# Altium PCB Booster_Main_Board.PcbDoc (part 4 of 11) (continued)
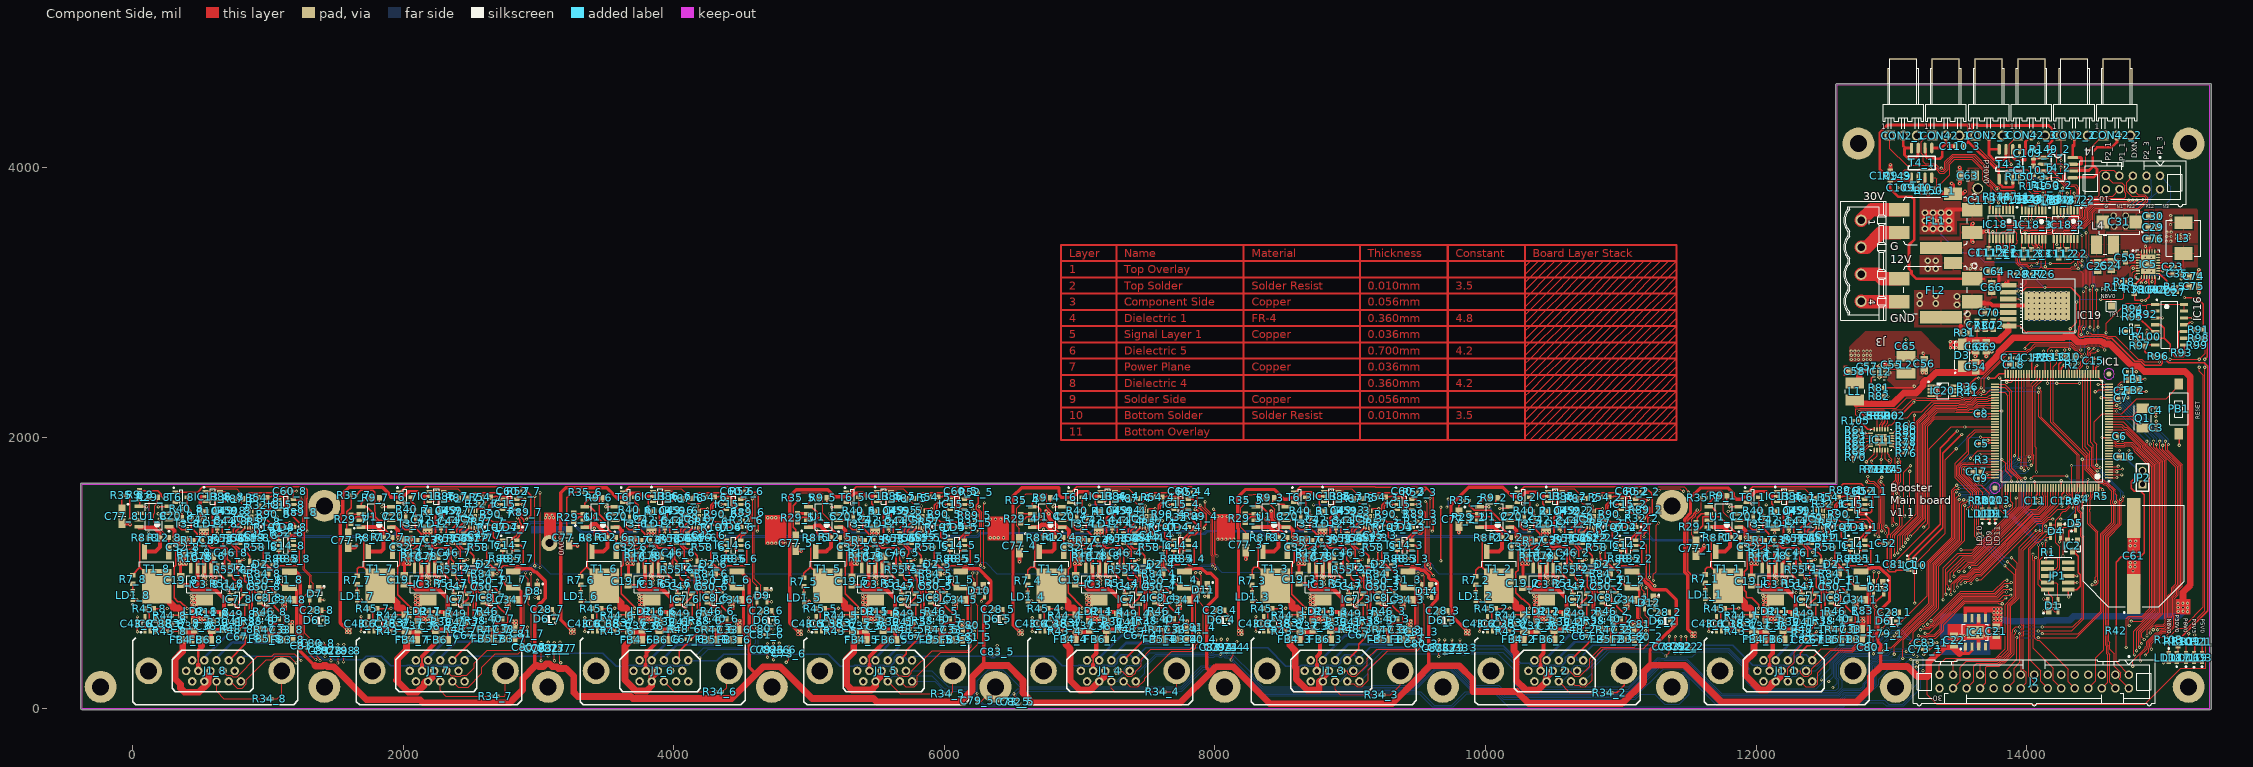
[diagram p0: Component Side view]
## Nets (pads, with @x,y where several pads share a name; then routed paths per layer and width w, separated by ;. In a path a pad name is that pad's centre, name@x,y a point inside that pad or via, vN(x,y) a via of type N, cw(c..) or ccw(c..) an arc to the next point about the centre after c; other vN are vias at no path point) (continued)
  Component Side w6: C111_2.2@14237.2,3326.77 14199.9,3364.07 IC18_2.9@14199.9,3468.5 14199.9,3505.56 14216.79,3522.45 14268.79,3522.45 14278.36,3532.02 14324.85,3532.02 14362.42,3569.59 14416.33,3569.59 14463.78,3617.04 14463.78,3670.94 14500.57,3707.74 14793.46,3707.74 14833.99,3748.27 14848.27,3748.27 v1(14860,3760)
  Signal Layer 1 w6: v1(14860,3760) 14865.7,3765.7 14865.7,3815.69 J4.4@14885,3834.99
DXP1_3: C111_3.2 IC18_3.9 J4.1 | length 1619.6
  Component Side w6: C111_3.2@13975.39,3389.76 13964.67,3400.49 IC18_3.9@13964.67,3466.54 13964.67,3516.22 13980.25,3531.81 14002.54,3531.81 14004.82,3529.53 14026.34,3529.53 14027.77,3530.96 14174.39,3530.96 14204.39,3560.96 14256.39,3560.96 14263.45,3568.02 14309.93,3568.02 14347.51,3605.59 14401.42,3605.59 14427.78,3631.95 14427.78,3685.86 14485.66,3743.74 14540.87,3743.74 14542.95,3745.82 14612.2,3745.82 14613.44,3747.05 14753.94,3747.05 v1(14753.94,3756.89)
  Solder Side w6: v1(14753.94,3756.89) 14802.9,3707.92 15012.06,3707.92 15065,3760.87 15065,3854.99 J4.1@14985,3934.99
DXP2_1: C112_1.2 IC18_1.12 J4.9 | length 1543.7
  Component Side w6: C112_1.2@13779.53,3333.66 13780.51,3332.68 13807.09,3332.68 13813.98,3339.57 13813.98,3389.64 13813.19,3390.43 13813.19,3422.05 13799.51,3435.73 IC18_1.12@13799.51,3470.47 13799.51,3503.99 13818.45,3522.93 13837.39,3522.93 13858.27,3543.81 14007.51,3543.81 14009,3542.32 14010.83,3542.32 14011.47,3542.96 14169.42,3542.96 14199.42,3572.96 14251.42,3572.96 14258.48,3580.02 14304.96,3580.02 14342.54,3617.59 14396.44,3617.59 14415.78,3636.92 14415.78,3690.83 14480.68,3755.74 14535.9,3755.74 14546.17,3766 14607.22,3766 14611.89,3770.67 14701.87,3770.67 14702.99,3769.54 14720.23,3769.54 14732.43,3781.73 14732.43,3807.66 14725.5,3814.59 14725.5,3861.93 14702.43,3885 14634.99,3885 J4.9@14585,3934.99
DXP2_2: C112_2.2 IC18_2.12 J4.6 | length 1031.6
  Component Side w6: C112_2.2@14297.24,3389.76 14274.9,3412.11 IC18_2.12@14274.9,3468.5 14274.9,3498.45 14278.93,3498.45 14281.44,3500.96 14283.03,3500.96 14283.03,3502.74 14288.3,3508.02 14334.79,3508.02 14372.36,3545.59 14426.27,3545.59 14487.78,3607.1 14487.78,3661 14510.51,3683.74 14830.14,3683.74 14892.81,3746.41 14892.81,3773.59 14871.9,3794.5 14825.5,3794.5 J4.6@14785,3834.99
DXP2_3: C112_3.2 IC18_3.12 J4.3 | length 1432.7
  Component Side w6: C112_3.2@14035.43,3326.77 14064.12,3355.46 14064.12,3412.19 14058.85,3417.46 14048.09,3417.46 14039.67,3425.89 IC18_3.12@14039.67,3466.54 14039.67,3504.23 14042.4,3506.96 14184.33,3506.96 14211.82,3534.45 14263.82,3534.45 14273.39,3544.02 14319.88,3544.02 14357.45,3581.59 14411.36,3581.59 14451.78,3622.01 14451.78,3675.92 14495.6,3719.74 14776.03,3719.74 v1(14813.18,3756.89)
  Solder Side w6: v1(14813.18,3756.89) 14834.83,3735.24 14890.24,3735.24 14902.7,3747.7 14902.7,3769.66 14925.5,3792.46 14925.5,3858.81 14918.45,3865.86 14918.45,3901.54 J4.3@14885,3934.99
EN_PWR_CH0: IC1.114 R85_8.2 R88_8.2 | length 14662.2
  Component Side w6: v1(13381.38,801.62) 13381.38,1036.38 13489,1144 13593.4,1144 13942.81,1493.41 13942.81,1624.87 IC1.114@13939.94,1627.74
  Component Side w10: R88_8.2@1124.5,1105 R85_8.2@1168.5,1105 1168.5,1078.5 v1(1168,1078)
  Signal Layer 1 w6: v1(1168,1078) 1246,1156 2114.57,1156 2116.38,1154.19 2197.62,1154.19 2218.43,1175 2502,1175 2672.19,1004.81 2672.19,984.38 2684.38,972.19 2701.62,972.19 2703.43,974 2749,974 2807.81,1032.81 2962.76,1032.81 2963.38,1032.19 2965.62,1032.19 2977,1020.81 3001.76,1020.81 3003.38,1019.19 3020.62,1019.19 3023.43,1022 3442,1022 3547.95,1127.95 3912.95,1127.95 3934,1149 4058,1149 4075,1132 4175.06,1132 4281,1026.06 4281,981 4319,943 4404,943 4480,1019 4576,1019 4604,1047 5039.97,1047 5167.3,1174.33 5372.22,1174.33 5372.89,1175 5407.65,1175 5410.19,1172.46 5410.19,1170.38 5422.38,1158.19 5484.59,1158.19 5490.99,1164.58 5501.38,1154.19 5518.62,1154.19 5540.24,1175.81 5846.19,1175.81 5927,1095 5927,967.69 5978.69,916 6080.6,916 6289.6,1125 7037.69,1125 7066.36,1096.33 7373.33,1096.33 7398,1121 7510,1121 7553.85,1077.15 7678.06,1077.15 7741.91,1141 7855.91,1141 7886.91,1172 7985.37,1172 7988.18,1169.19 8173.24,1169.19 8176.05,1172 8474.06,1172 8518.11,1127.95 8629.31,1127.95 8630.31,1126.95 8677.31,1126.95 8695.07,1109.19 8782.87,1109.19 8799.06,1093 8961.06,1093 8984.06,1070 9030.06,1070 9069.25,1030.81 9140.62,1030.81 9149.24,1022.19 9238.13,1022.19 9309.94,1094 9457.15,1094 9464.6,1101.45 9509.45,1101.45 9549,1141 10078.06,1141 10247.06,972 10344.91,972 10398.91,1026 10546,1026 10592.19,979.81 10723.19,979.81 10762,941 10797.57,941 10818.38,920.19 10864.62,920.19 10919.76,975.33 11172.93,975.33 11200.41,1002.81 11232.89,1002.81 11255.41,980.29 11421.76,980.29 11444.28,1002.81 11447.65,1002.81 11448.07,1002.4 11511.6,1002.4 11526.03,987.98 11722.67,987.98 11737.5,1002.81 11816.22,1002.81 11878.03,941 12012.06,941 12108.06,845 12238.6,845 12281.41,887.81 12312.13,887.81 12346.61,853.33 12407.97,853.33 12419.97,841.33 12560.3,841.33 12584.97,866 12734.03,866 12798.41,801.62 v1(13381.38,801.62)
EN_PWR_CH1: IC1.115 R85_7.2 R88_7.2 | length 12953.6
  Component Side w6: v1(13402.19,842.81) 13402.19,1028.19 13506,1132 13598.37,1132 13959.62,1493.25 IC1.115@13959.62,1627.74
  Component Side w10: R88_7.2@2778.05,1106.14 2801,1106.14 ; v1(2801,1080) 2801,1106.14 ; R85_7.2@2822.04,1106.14 2801,1106.14
  Signal Layer 1 w6: v1(2801,1080) 2872.95,1151.95 3851.38,1151.95 3885.38,1185.95 4127.45,1185.95 4136.4,1177 4164,1177 4320,1021 4320,985 4336.81,968.19 4389,968.19 4464.81,1044 4553,1044 4580,1071 5021,1071 5234.95,1284.95 5382.25,1284.95 5434.14,1233.06 5553.14,1233.06 5577.87,1208.33 5636.25,1208.33 5662.87,1234.95 5827.11,1234.95 5951,1111.06 5951,977.63 5984.63,944 6074.66,944 6279.66,1149 7047.63,1149 7076.3,1120.33 7210.3,1120.33 7243.3,1153.33 7322.24,1153.33 7391.86,1222.95 7468.79,1222.95 7588.06,1103.69 7670.66,1103.69 7731.97,1165 7845.97,1165 7876.97,1196 7995.31,1196 7998.12,1193.19 8163.3,1193.19 8166.11,1196 8484,1196 8528.05,1151.95 8639.25,1151.95 8640.25,1150.95 8687.25,1150.95 8705.01,1133.19 8792.81,1133.19 8809,1117 8971,1117 8994,1094 9040,1094 9069,1065 9140.37,1065 9159.18,1046.19 9228.19,1046.19 9304.33,1122.33 9451.54,1122.33 9454.66,1125.45 9495.42,1125.45 9534.97,1165 10088,1165 10257,996 10334.97,996 10391.97,1053 10557.03,1053 10606.22,1003.81 10737.79,1003.81 10772.41,969.19 10808.79,969.19 10814.41,974.81 10855.75,974.81 10880.27,999.33 11162.99,999.33 11190.47,1026.81 11242.83,1026.81 11265.35,1004.29 11411.82,1004.29 11434.34,1026.81 11457.6,1026.81 11458.01,1026.4 11521.54,1026.4 11535.97,1011.98 11712.73,1011.98 11727.56,1026.81 11831.22,1026.81 11893.03,965 12022,965 12118,869 12228.66,869 12271.47,911.81 12349.41,911.81 12349.61,912.01 12344.36,906.76 12344.36,889.52 12356.55,877.33 12417.91,877.33 12429.91,865.33 12548.76,865.33 12573.43,890 12750,890 12806.81,833.19 12958.53,833.19 12968.15,842.81 v1(13402.19,842.81)
EN_PWR_CH2: IC1.116 R85_6.2 R88_6.2 | length 11062.5
  Component Side w6: v1(13423,882) 13423,905.19 13414.19,914 13414.19,1005.19 13529,1120 13603.34,1120 13979.31,1495.96 IC1.116@13979.31,1627.74
  Component Side w10: R88_6.2@4431.59,1106.14 4454,1106.14 ; v1(4454,1079) 4454,1106.14 ; R85_6.2@4475.58,1106.14 4454,1106.14
  Signal Layer 1 w6: v1(4454,1079) 4477,1102 5008,1102 5214.95,1308.95 5392.19,1308.95 5444.08,1257.06 5563.08,1257.06 5563.95,1256.19 5608.28,1256.19 5614.04,1261.95 5834.05,1261.95 5978.05,1117.95 5978.05,984.52 5994.57,968 6036.4,968 6144.19,1075.79 6144.19,1090.62 6226.57,1173 7063.19,1173 7064.19,1172 7064.19,1166.38 7082.86,1147.71 7183.6,1147.71 7213.23,1177.33 7237.33,1177.33 7251,1191 7325.97,1191 7381.92,1246.95 7478.73,1246.95 7598,1127.69 7659.69,1127.69 7723,1191 7834,1191 7869,1226 7999.25,1226 8008.06,1217.19 8153.35,1217.19 8162.17,1226 8497,1226 8547.05,1175.95 8649.19,1175.95 8650.19,1174.95 8697.19,1174.95 8704.77,1167.37 8720.2,1167.37 8729.38,1158.19 8746.62,1158.19 8755.8,1167.37 8756.23,1167.37 8766.41,1157.19 8793.59,1157.19 8799.49,1163.08 8808.38,1154.19 8825.62,1154.19 8845.38,1173.95 9002.65,1173.95 9056.65,1119.95 9099.34,1119.95 9119.48,1099.81 9240.81,1099.81 9287.33,1146.33 9441.6,1146.33 9444.72,1149.45 9485.45,1149.45 9529,1193 10096.03,1193 10269.03,1020 10317,1020 10375.81,1078.81 10611.62,1078.81 10629.43,1061 10689,1061 10704,1046 10757,1046 10780,1023 10870,1023 10901,1054 11057,1054 11077,1034 11162.97,1034 11179.78,1050.81 11252.77,1050.81 11275.29,1028.29 11401.88,1028.29 11424.4,1050.81 11467.54,1050.81 11467.95,1050.4 11531.48,1050.4 11545.91,1035.98 11702.79,1035.98 11717.62,1050.81 11844.19,1050.81 11904,991 12037,991 12051,1005 12245,1005 12287,963 12332.57,963 12361.38,934.19 12378.62,934.19 12412.24,967.81 12428.22,967.81 12472.03,924 12530.88,924 12533.55,921.33 12550.79,921.33 12553.46,924 12761,924 12827.81,857.19 12948.59,857.19 12961.4,870 13281,870 13293,882 v1(13423,882)
EN_PWR_CH3: IC1.117 R85_5.2 R88_5.2 | length 8942.2
  Component Side w6: v1(13435,941) 13435,1001 13539,1105 13605.31,1105 13998.99,1498.68 IC1.117@13998.99,1627.74
  Component Side w10: v1(6101,1079) 6101,1106.14 R85_5.2@6129.13,1106.14
  Signal Layer 1 w6: v1(6101,1079) 6101,1081.37 6220.63,1201 6876,1201 6894,1219 6894,1289 6908,1303 7023,1303 7079,1247 7269.6,1247 7293.55,1270.95 7576.95,1270.95 7592,1286 7690,1286 7721,1255 7812,1255 7839.81,1282.81 8358.75,1282.81 8375.41,1266.15 8432.15,1266.15 8484.95,1318.95 8697.05,1318.95 8764,1252 8868.45,1252 8868.61,1251.84 8911.02,1251.84 8921.13,1261.95 8968.37,1261.95 9003.32,1227 9056,1227 9109.05,1173.95 9145.05,1173.95 9179.81,1139.19 9217.19,1139.19 9260.33,1182.33 9426.69,1182.33 9429.81,1185.45 9464.42,1185.45 9520.97,1242 10001.1,1242 10013.5,1229.61 10070.5,1229.61 10082.9,1242 10142.03,1242 10251.7,1132.33 10508.88,1132.33 10516.55,1140 10686,1140 10711,1115 10730.69,1115 10735.64,1119.95 10752.88,1119.95 10763.83,1109 10800.03,1109 10807.58,1101.45 11135.38,1101.45 11145.88,1090.95 11263.54,1090.95 11290.2,1064.29 11386.97,1064.29 11413.63,1090.95 11478.31,1090.95 11482.86,1086.4 11546.4,1086.4 11560.82,1071.98 11687.88,1071.98 11706.85,1090.95 11883.08,1090.95 11942.84,1031.19 12026.28,1031.19 12036.09,1041 12259.91,1041 12269.72,1031.19 12302.62,1031.19 12303.43,1032 12326.46,1032 12352.17,1006.29 12389.72,1006.29 12400.62,1017.19 12628.81,1017.19 12665,981 12783,981 12856,908 12905.65,908 12920.46,922.81 12948.59,922.81 12963.4,908 13047,908 13080,941 v1(13435,941)
EN_PWR_CH4: IC1.118 R85_4.2 R88_4.2 | length 7260
  Component Side w6: v1(13462,975) 13462,1004.43 13548.57,1091 13608.28,1091 14018.68,1501.39 IC1.118@14018.68,1627.74
  Component Side w10: R88_4.2@7738.68,1106.14 R88_4.2@7742.86,1106.14 ; v1(7739,1280) 7739,1110 R88_4.2@7742.86,1106.14 ; R85_4.2@7782.67,1106.14 R88_4.2@7742.86,1106.14
  Signal Layer 1 w6: v1(7739,1280) 7806,1280 7823,1297 8361.53,1297 8380.38,1278.15 8417.64,1278.15 8470.44,1330.95 8900.56,1330.95 8923.75,1307.76 8939.53,1307.76 9005.29,1242 9336,1242 9364.81,1213.19 9457.16,1213.19 9514.16,1270.19 9785.77,1270.19 9789.56,1266.4 9816.74,1266.4 9820.53,1270.19 10006.86,1270.19 10023.44,1253.61 10060.56,1253.61 10077.14,1270.19 10205.88,1270.19 10220.64,1284.95 10342.88,1284.95 10356.07,1271.76 10356.07,1246.5 10423.38,1179.19 10443.62,1179.19 10454.43,1190 10531.6,1190 10542.41,1200.81 10570.19,1200.81 10574.67,1196.33 10712.1,1196.33 10767.43,1141 10830.57,1141 10840.38,1131.19 10857.62,1131.19 10867.43,1141 11117.75,1141 11117.88,1140.87 11143.13,1140.87 11169.05,1114.95 11273.48,1114.95 11300.14,1088.29 11377.03,1088.29 11403.69,1114.95 11488.25,1114.95 11492.8,1110.4 11556.34,1110.4 11570.76,1095.98 11677.93,1095.98 11696.91,1114.95 11952.55,1114.95 11953.55,1115.95 11970.79,1115.95 11971.79,1114.95 12018.79,1114.95 12061.42,1072.33 12267.93,1072.33 12280.41,1084.81 12307.59,1084.81 12332.4,1060 12380.2,1060 12392.81,1047.39 12392.81,1045.62 12397.24,1041.19 12640.69,1041.19 12675.88,1006 12792,1006 12866,932 12895.71,932 12910.52,946.81 12958.53,946.81 12973.34,932 13018.97,932 13061.97,975 v1(13462,975)
EN_PWR_CH5: IC1.119 R85_3.2 R88_3.2 | length 5446.7
  Component Side w6: v1(13497,1010) 13566,1079 13613.25,1079 14038.36,1504.11 IC1.119@14038.36,1627.74
  Component Side w10: v1(9388,1234) 9388,1110.36 R88_3.2@9392.22,1106.14 R85_3.2@9436.21,1106.14
  Signal Layer 1 w6: v1(9388,1234) 9461,1234 9509.19,1282.19 9790.74,1282.19 9794.53,1278.4 9811.77,1278.4 9815.56,1282.19 10011.83,1282.19 10028.41,1265.61 10055.59,1265.61 10074.81,1284.83 10074.81,1295.5 10076.27,1296.95 10354.05,1296.95 10414,1237 10489.57,1237 10490.38,1237.81 10507.62,1237.81 10526.62,1218.81 10569.16,1218.81 10579.64,1208.33 10732.67,1208.33 10746.19,1194.81 10746.19,1192.38 10758.57,1180 10772,1180 10772.19,1180.19 10775.62,1180.19 10792.43,1197 10938,1197 10940.45,1194.55 10959.97,1175 11117.7,1175 11127.82,1164.87 11162.13,1164.87 11187.05,1139.95 11282.42,1139.95 11310.08,1112.29 11367.08,1112.29 11394.75,1139.95 11497.19,1139.95 11502.74,1134.4 11566.28,1134.4 11580.7,1119.98 11667.99,1119.98 11687.97,1139.95 11980.73,1139.95 11981.73,1138.95 12028.73,1138.95 12071.36,1096.33 12257.99,1096.33 12270.47,1108.81 12317.53,1108.81 12342.34,1084 12395.99,1084 12413.66,1066.33 12450.76,1066.33 12479.24,1094.81 12523.79,1094.81 12548.41,1070.19 12694.84,1070.19 12735.03,1030 12809.03,1030 12838.19,1000.84 12838.19,995.41 12862.41,971.19 13005.19,971.19 13044,1010 13211.57,1010 13213.38,1008.19 13230.62,1008.19 13232.43,1010 v1(13497,1010)
EN_PWR_CH6: IC1.122 R85_2.2 R88_2.2 | length 3784.4
  Component Side w6: v1(13538,1011) 13538,1030.43 13574.57,1067 13618.22,1067 14021.22,1470 14073.43,1470 14113.81,1510.38 14113.81,1555.18 14097.42,1571.57 IC1.122@14097.42,1627.74
  Component Side w10: R88_2.2@11039,1105.14 R88_2.2@11044,1105.14 ; v1(11044,1200) R88_2.2@11044,1105.14 ; R88_2.2@11045.76,1106.14 R88_2.2@11045.76,1105.14 ; R85_2.2@11087.76,1105.14 R88_2.2@11045.76,1105.14 ; R88_2.2@11044,1105.14 11044,1099 11045.76,1097.24 R88_2.2@11045.76,1105.14 ; R88_2.2@11044,1105.14 R88_2.2@11045.76,1105.14
  Signal Layer 1 w6: v1(11044,1200) 11109.67,1200 11132.79,1176.87 11174.13,1176.87 11199.05,1151.95 11287.39,1151.95 11315.05,1124.29 11362.11,1124.29 11389.78,1151.95 11502.16,1151.95 11507.71,1146.4 11571.25,1146.4 11585.67,1131.98 11663.02,1131.98 11683,1151.95 11985.7,1151.95 11986.7,1150.95 12043.05,1150.95 12085.67,1108.33 12211.73,1108.33 12224.21,1120.81 12322.5,1120.81 12341.88,1101.43 12395.53,1101.43 12418.63,1078.33 12445.79,1078.33 12474.27,1106.81 12528.76,1106.81 12553.38,1082.19 12699.81,1082.19 12740,1042 12814,1042 12850.19,1005.81 12850.19,1000.38 12867.38,983.19 12998.19,983.19 13066,1051 13498,1051 v1(13538,1011)
EN_PWR_CH7: IC1.123 R85_1.2 R88_1.2 | length 1799.4
  Component Side w6: v1(13576,1039) 13592,1055 13636,1055 14039,1458 14084.97,1458 14126.01,1499.04 14126.01,1566 14117.1,1574.91 IC1.123@14117.1,1627.74
  Component Side w10: R88_1.2@12738.68,1106.14 12760,1106.14 ; v1(12760,1081) 12760,1106.14 ; R85_1.2@12782.67,1106.14 12760,1106.14
  Signal Layer 1 w6: v1(12760,1081) 12787.81,1108.81 13073.41,1108.81 13074.41,1109.81 13505.19,1109.81 v1(13576,1039)
FANN: IC1.45 IC18_1.5 IC18_2.5 IC18_3.5 R24.2 | length 2020.6
  Component Side w6: IC18_1.5@13799.51,3683.07 13799.51,3639.76 13834.94,3604.33 13988.19,3604.33 13991.82,3607.97 v1(13991.82,3610.41) ; R24.2@14025.59,3744.29 14039.67,3730.22 IC18_3.5@14039.67,3679.13 14037.4,3676.87 v1(14037.4,3608.27) ; v1(14089.57,3609.25) 14090.55,3608.27 14183.82,3608.27 14184.51,3608.96 14236.51,3608.96 14243.57,3616.02 14270.54,3616.02 14274.9,3620.37 ; v1@14274.9,3631.88 IC18_2.5@14274.9,3681.1 ; IC1.45@14373.01,2470.26 14373.01,2506.8 14400.7,2534.5 14400.7,2560.25 14447.8,2607.34 14447.8,2612.59 14449.94,2614.74 14449.94,2638.92 14458.63,2647.61 v1(14458.63,2657.47) ; v1(14409.45,3307.09) v1(14409.45,3494.09) ; v1(14468.5,2814.96) v1@14468.5,3090.5
  Solder Side w6: v1(13991.82,3610.41) 13992.67,3609.57 14036.1,3609.57 v1(14037.4,3608.27) 14038.39,3609.25 v1(14089.57,3609.25) ; v1(14271.62,3631.88) v1(14409.45,3494.09) ; v1(14409.45,3307.09) 14430.26,3286.28 14430.26,3263.88 14468.47,3225.66 14468.47,3129.8 14467.38,3128.7 14467.38,3091.63 v1(14468.47,3090.53) ; v1(14458.63,2657.47) 14469.6,2668.44 14469.6,2784.21 14468.5,2785.3 v1(14468.5,2814.96)
FR_Q0: C83_8.1 IC1.141 J1_8.1 | length 15292.3
  Component Side w6: v1(1423,381.87) C83_8.1@1423,405.28 ; v1@13292.6,645.4 13498.4,851.19 13499.62,851.19 13511.62,863.19 13753.19,863.19 13836,946 v1(13853,946) ; IC1.141@14471.43,1627.74 14471.43,1562.26 14451,1541.82 14451,1362.6 14513.53,1300.07 14513.53,1104.74 14513,1104.22 14513,976 14506,969 v1(14506,934)
  Signal Layer 1 w6: J1_8.1@440.08,196.5 477.53,233.95 501.93,233.95 525.65,257.67 525.65,290.65 579.58,344.58 579.58,370.32 603.3,394.04 1135.64,394.04 1147.8,381.87 v1(1423,381.87) 1423.94,382.81 1479.59,382.81 1480.53,381.87 1726.14,381.87 1738.31,394.04 2259.04,394.04 2270.83,405.83 3501.17,405.83 3510,397 3573.03,397 3614.54,438.51 4181.95,438.51 4188.46,432 4651.69,432 4664.5,444.81 4721.5,444.81 4734.31,432 4788.6,432 4797.41,440.81 4824.59,440.81 4833.4,432 6331.63,432 6339.44,439.81 6376.56,439.81 6384.37,432 7576.09,432 7613.58,469.49 7940.15,469.49 7950.47,479.81 8006.53,479.81 8010.91,484.19 8015.62,484.19 8019.24,487.81 8136.09,487.81 8171.72,452.19 9489.62,452.19 9521.24,483.81 11265.62,483.81 11286.62,504.81 11520.37,504.81 11539.37,485.81 12906.5,485.81 12914.5,493.81 12971.5,493.81 12975.12,490.19 13010.19,490.19 13032.19,512.19 13032.19,513.41 13164.78,646 v1(13292,646) ; v1(13853,946) 13856.81,949.81 13897,949.81 13939.62,907.19 14393.19,907.19 14420,934 v1(14506,934)
FR_Q1: C83_7.1 IC1.142 J1_7.1 | length 13684.3
  Component Side w6: v1(3071,385.02) 3072,386.02 C83_7.1@3072,425.28 ; v1(13267,620) 13272.19,625.19 13300.62,625.19 13312.81,637.38 13312.81,647.41 13516.59,851.19 13762.19,851.19 13836.19,925.19 13881.19,925.19 v1(13885,929) ; v1(14483,913) 14514.43,913 14526.81,925.38 14526.81,942.62 14525,944.43 14525,1009 14525.53,1009.53 14525.53,1305.04 14468,1362.57 14468,1451.44 14466.62,1452.81 14466.62,1470.05 14468,1471.43 14468,1541.85 14484.31,1558.16 14484.31,1579.31 14491.12,1586.12 IC1.142@14491.12,1627.74
  Signal Layer 1 w6: J1_7.1@2093.62,197.64 2142.41,197.64 2143.13,198.36 2143.13,214.41 2166.85,238.13 2200.4,238.13 2203.44,235.09 2245.47,235.09 2269.2,258.82 2269.2,283.36 2301.93,316.09 2335.47,316.09 2338.51,313.05 2380.4,313.05 2383.44,316.09 2425.47,316.09 2428.51,313.05 2470.4,313.05 2542.35,385 3578,385 3619.51,426.51 4176.98,426.51 4183.49,420 4656.66,420 4669.47,432.81 4716.53,432.81 4729.34,420 4793.57,420 4802.38,428.81 4819.62,428.81 4828.43,420 6336.6,420 6344.41,427.81 6371.59,427.81 6379.4,420 7581.06,420 7618.55,457.49 7945.12,457.49 7955.44,467.81 8011.5,467.81 8015.88,472.19 8020.59,472.19 8024.21,475.81 8131.12,475.81 8166.75,440.19 9494.59,440.19 9526.21,471.81 9849.56,471.81 9866.36,455.02 11253.79,455.02 11291.59,492.81 11515.4,492.81 11534.4,473.81 12911.47,473.81 12919.47,481.81 12966.53,481.81 12970.15,478.19 13025.37,478.19 13044.19,497.01 13044.19,508.44 13164.56,628.81 13245.62,628.81 13254.43,620 v1(13267,620) ; v1(13885,929) 13918.81,895.19 14465.19,895.19 v1(14483,913)
FR_Q2: C83_6.1 IC1.1 J1_6.1 | length 12194.6
  Component Side w6: C83_6.1@4780,414.28 4804.72,414.28 v1(4811,408) ; v1(13237,608) 13243.38,608 13252.19,599.19 13275.62,599.19 13289.62,613.19 13305.59,613.19 13324.81,632.41 13324.81,642.44 13521.56,839.19 13767.19,839.19 13829,901 v1(13853,901) ; IC1.1@14607.26,1704.51 v1(14666.49,1704.51)
  Signal Layer 1 w6: J1_6.1@3747.17,197.64 3776.64,197.64 3841.75,262.75 3841.75,292.36 3886.67,337.29 3886.67,370.32 3910.39,394.04 3973.04,394.04 3993.51,414.51 4172.01,414.51 4179.52,407 4660.63,407 4674.44,420.81 4711.56,420.81 4725.37,407 6340.57,407 6349.38,415.81 6366.62,415.81 6375.43,407 7585.03,407 7623.52,445.49 7950.09,445.49 7960.41,455.81 7987.59,455.81 7997.91,445.49 8006.15,445.49 8020.85,460.19 8025.56,460.19 8029.18,463.81 8126.15,463.81 8161.78,428.19 9499.56,428.19 9531.18,459.81 9844.59,459.81 9861.39,443.02 11258.76,443.02 11296.56,480.81 11510.43,480.81 11539.81,451.43 11539.81,449.59 11546.39,443.02 11565.18,461.81 12916.44,461.81 12924.44,469.81 12961.56,469.81 12965.18,466.19 13030.34,466.19 13056.19,492.04 13056.19,503.47 13153.53,600.81 13229.81,600.81 v1(13237,608) ; v1(13853,901) 13896.03,901 13913.84,883.19 14484.62,883.19 14566.93,965.5 14566.93,1509.5 14579.81,1522.38 14579.81,1605.24 14580.81,1606.24 14580.81,1618.83 v1(14666.49,1704.51)
FR_Q3: C83_5.1 IC1.2 J1_5.1 | length 10610.8
  Component Side w6: v1(6358,395) 6363.28,400.28 C83_5.1@6391,400.28 ; v1(13215,580) 13221.81,586.81 13280.21,586.81 13294.59,601.19 13310.56,601.19 13336.81,627.44 13336.81,637.47 13526.53,827.19 13777.19,827.19 13829.81,879.81 13880.19,879.81 v1(13882,878) ; IC1.2@14607.26,1724.2 14608.39,1725.32 14700.68,1725.32 v1(14701.8,1724.2)
  Signal Layer 1 w6: J1_5.1@5381.34,197.64 J1_5.1@5400.71,197.64 5449.49,197.64 5450.21,198.36 5450.21,214.41 5473.93,238.13 5515.97,238.13 5519.01,235.09 5560.89,235.09 5563.93,238.13 5605.97,238.13 5609.01,235.09 5650.89,235.09 5653.93,238.13 5695.97,238.13 5699.01,235.09 5740.89,235.09 5743.93,238.13 5810.56,238.13 5967.43,395 v1(6358,395) 7590,395 7628.49,433.49 7955.06,433.49 7965.38,443.81 7982.62,443.81 7992.94,433.49 8011.12,433.49 8025.82,448.19 8030.53,448.19 8034.15,451.81 8121.18,451.81 8156.8,416.19 9504.53,416.19 9526.15,437.81 9752.76,437.81 9772.38,418.19 9789.62,418.19 9809.24,437.81 9849.62,437.81 9856.42,431.02 11263.73,431.02 11299.53,466.81 11371.5,466.81 11373.5,468.81 11462.53,468.81 11500.33,431.02 11501.36,431.02 11510.38,422 11527.62,422 11536.64,431.02 11551.36,431.02 11570.15,449.81 12921.41,449.81 12929.41,457.81 12956.59,457.81 12960.59,453.81 13025.02,453.81 13029.02,449.81 13030.93,449.81 13068.19,487.07 13068.19,498.5 13149.69,580 v1(13215,580) ; v1(13882,878) 13888.81,871.19 14494.19,871.19 14556,933 14556,937.6 14578.93,960.53 14578.93,1504.53 14591.81,1517.41 14591.81,1600.27 14592.81,1601.27 14592.81,1613.86 14662.65,1683.7 14675.11,1683.7 14701.8,1710.4 v1(14701.8,1724.2)
FR_Q4: C83_4.1 IC1.3 J1_4.1 | length 9011
  Component Side w6: v1(7974,423) 7998.72,423 C83_4.1@8008,432.28 ; v1(13249,554) 13280.34,554 13348.81,622.47 13348.81,632.5 13531.5,815.19 13786.19,815.19 13830,859 v1(13850,859) ; IC1.3@14607.26,1743.88 14610.38,1747 v1(14666,1747)
  Signal Layer 1 w6: J1_4.1@7034.88,197.64 J1_4.1@7054.25,197.64 7103.04,197.64 7103.76,198.36 7103.76,214.41 7127.48,238.13 7161.03,238.13 7164.07,235.09 7206.1,235.09 7209.14,238.13 7251.03,238.13 7254.07,235.09 7296.1,235.09 7299.14,238.13 7341.03,238.13 7344.07,235.09 7386.1,235.09 7389.14,238.13 7500.13,238.13 7683.49,421.49 8016.09,421.49 8030.79,436.19 8068.79,436.19 8072.41,439.81 8116.21,439.81 8160.02,396 9638.57,396 9645.38,402.81 9662.62,402.81 9669.43,396 9675.57,396 9689.38,382.19 9706.62,382.19 9720.43,396 10284.03,396 10307.05,419.02 11268.7,419.02 11304.5,454.81 11376.47,454.81 11378.47,456.81 11457.56,456.81 11495.36,419.02 11496.39,419.02 11505.41,410 11532.59,410 11541.61,419.02 11556.33,419.02 11575.12,437.81 12926.38,437.81 12934.38,445.81 12951.62,445.81 12955.62,441.81 13020.05,441.81 13024.05,437.81 13029.98,431.89 13080.19,482.1 13080.19,493.53 13143.47,556.81 13208.76,556.81 13215.57,550 13222.43,550 13228.43,556 13230.43,554 v1(13249,554) ; v1(13850,859) 13851.81,857.19 14504.19,857.19 14568,921 14568,932.63 14593,957.63 14593,1501.63 14603.81,1512.44 14603.81,1591.81 14722.61,1710.61 14722.61,1732.82 14709.24,1746.19 14666.81,1746.19 v1(14666,1747)
FR_Q5: C83_3.1 IC1.4 J1_3.1 | length 7430.7
  Component Side w6: C83_3.1@9653,424.28 9653,383 v1(9654,382) ; v1(13200,536) 13202.81,533.19 13214.76,533.19 13218.38,536.81 13236.76,536.81 13240.38,533.19 13257.62,533.19 13266.43,542 13316.25,542 13360.81,586.56 13360.81,627.53 13536.47,803.19 13798.19,803.19 13831,836 13872,836 13874,838 13876,836 v1(13883,836) ; IC1.4@14607.26,1763.57 14653.14,1763.57 14657.38,1767.81 14674.62,1767.81 14675.43,1767 v1(14707,1767)
  Signal Layer 1 w6: J1_3.1@8707.8,197.64 8756.58,197.64 8757.3,198.36 8757.3,214.41 8781.02,238.13 8823.06,238.13 8826.1,235.09 8867.98,235.09 8871.02,238.13 8913.06,238.13 8916.1,235.09 8957.98,235.09 8961.02,238.13 9003.06,238.13 9006.1,235.09 9039.65,235.09 9063.37,258.82 9063.37,281.37 9165.02,383.02 9671.58,383.02 9684.41,370.19 9711.59,370.19 9724.42,383.02 10288.02,383.02 10312.02,407.02 11273.67,407.02 11309.47,442.81 11381.44,442.81 11383.44,444.81 11452.59,444.81 11490.39,407.02 11491.42,407.02 11500.44,398 11537.56,398 11546.58,407.02 11570.02,407.02 11586.62,423.62 12897.95,423.62 12943.38,378.19 13030.62,378.19 13044.81,392.38 13044.81,419.62 13039.75,424.69 13092.19,477.13 13092.19,488.56 13139.63,536 v1(13200,536) ; v1(13883,836) 13889.81,842.81 14318.62,842.81 14325.43,836 14505,836 14580,911 14580,927.66 14607,954.66 14607,1498.66 14615.81,1507.47 14615.81,1585.81 14735,1705 14735,1739 v1(14707,1767)
FR_Q6: C83_2.1 IC1.5 J1_2.1 | length 5843.8
  Component Side w6: v1(11400,407) 11400,435.28 C83_2.1@11402,437.28 ; v1(13227,516) 13232.19,521.19 13262.59,521.19 13271.4,530 13321.22,530 13372.81,581.59 13372.81,622.56 13541.44,791.19 13808.76,791.19 13810.38,792.81 13823.81,792.81 v1(13846,815) ; IC1.5@14607.26,1783.25 14671.25,1783.25 v1(14677,1789)
  Signal Layer 1 w6: J1_2.1@10341.97,197.64 J1_2.1@10361.34,197.64 10398.79,235.09 10431.52,235.09 10434.56,238.13 10468.11,238.13 10471.15,235.09 10521.52,235.09 10524.56,238.13 10558.11,238.13 10561.15,235.09 10611.52,235.09 10614.56,238.13 10648.11,238.13 10651.15,235.09 10701.52,235.09 10704.56,238.13 10799.13,238.13 10802.17,235.09 10814.11,235.09 10903.35,324.34 10903.35,359.3 10939.07,395.02 11278.64,395.02 11314.44,430.81 11376.19,430.81 v1(11400,407) 11409.62,416.62 11422.19,416.62 11434.38,428.81 11451.62,428.81 11485.42,395.02 11486.45,395.02 11495.47,386 11542.53,386 11551.55,395.02 12844.95,395.02 12857.97,382 12875.21,382 12888.22,395.02 12909.58,395.02 12938.41,366.19 13035.59,366.19 13056.81,387.41 13056.81,424.78 13104.19,472.16 13104.19,483.59 13135.79,515.19 13208.62,515.19 13209.43,516 v1(13227,516) ; v1(13846,815) 14102.5,815 14115.4,827.9 14274.67,827.9 14301.38,801.19 14491.19,801.19 14592,902 14592,922.69 14619,949.69 14619,1493.69 14627.81,1502.5 14627.81,1580.84 14747,1700.03 14747,1759 14717,1789 v1(14677,1789)